# Altium PCB JTAG-批量下载V06.PcbDoc (part 1 of 13)
Units mil, origin at the board's own origin, x right, y up, seen from the top; angles counter-clockwise.
Board outline 6380 x 5290 mil, 2 copper layers (Top Layer, Bottom Layer); 190 components, 238 nets, 1050 pads, 459 vias.
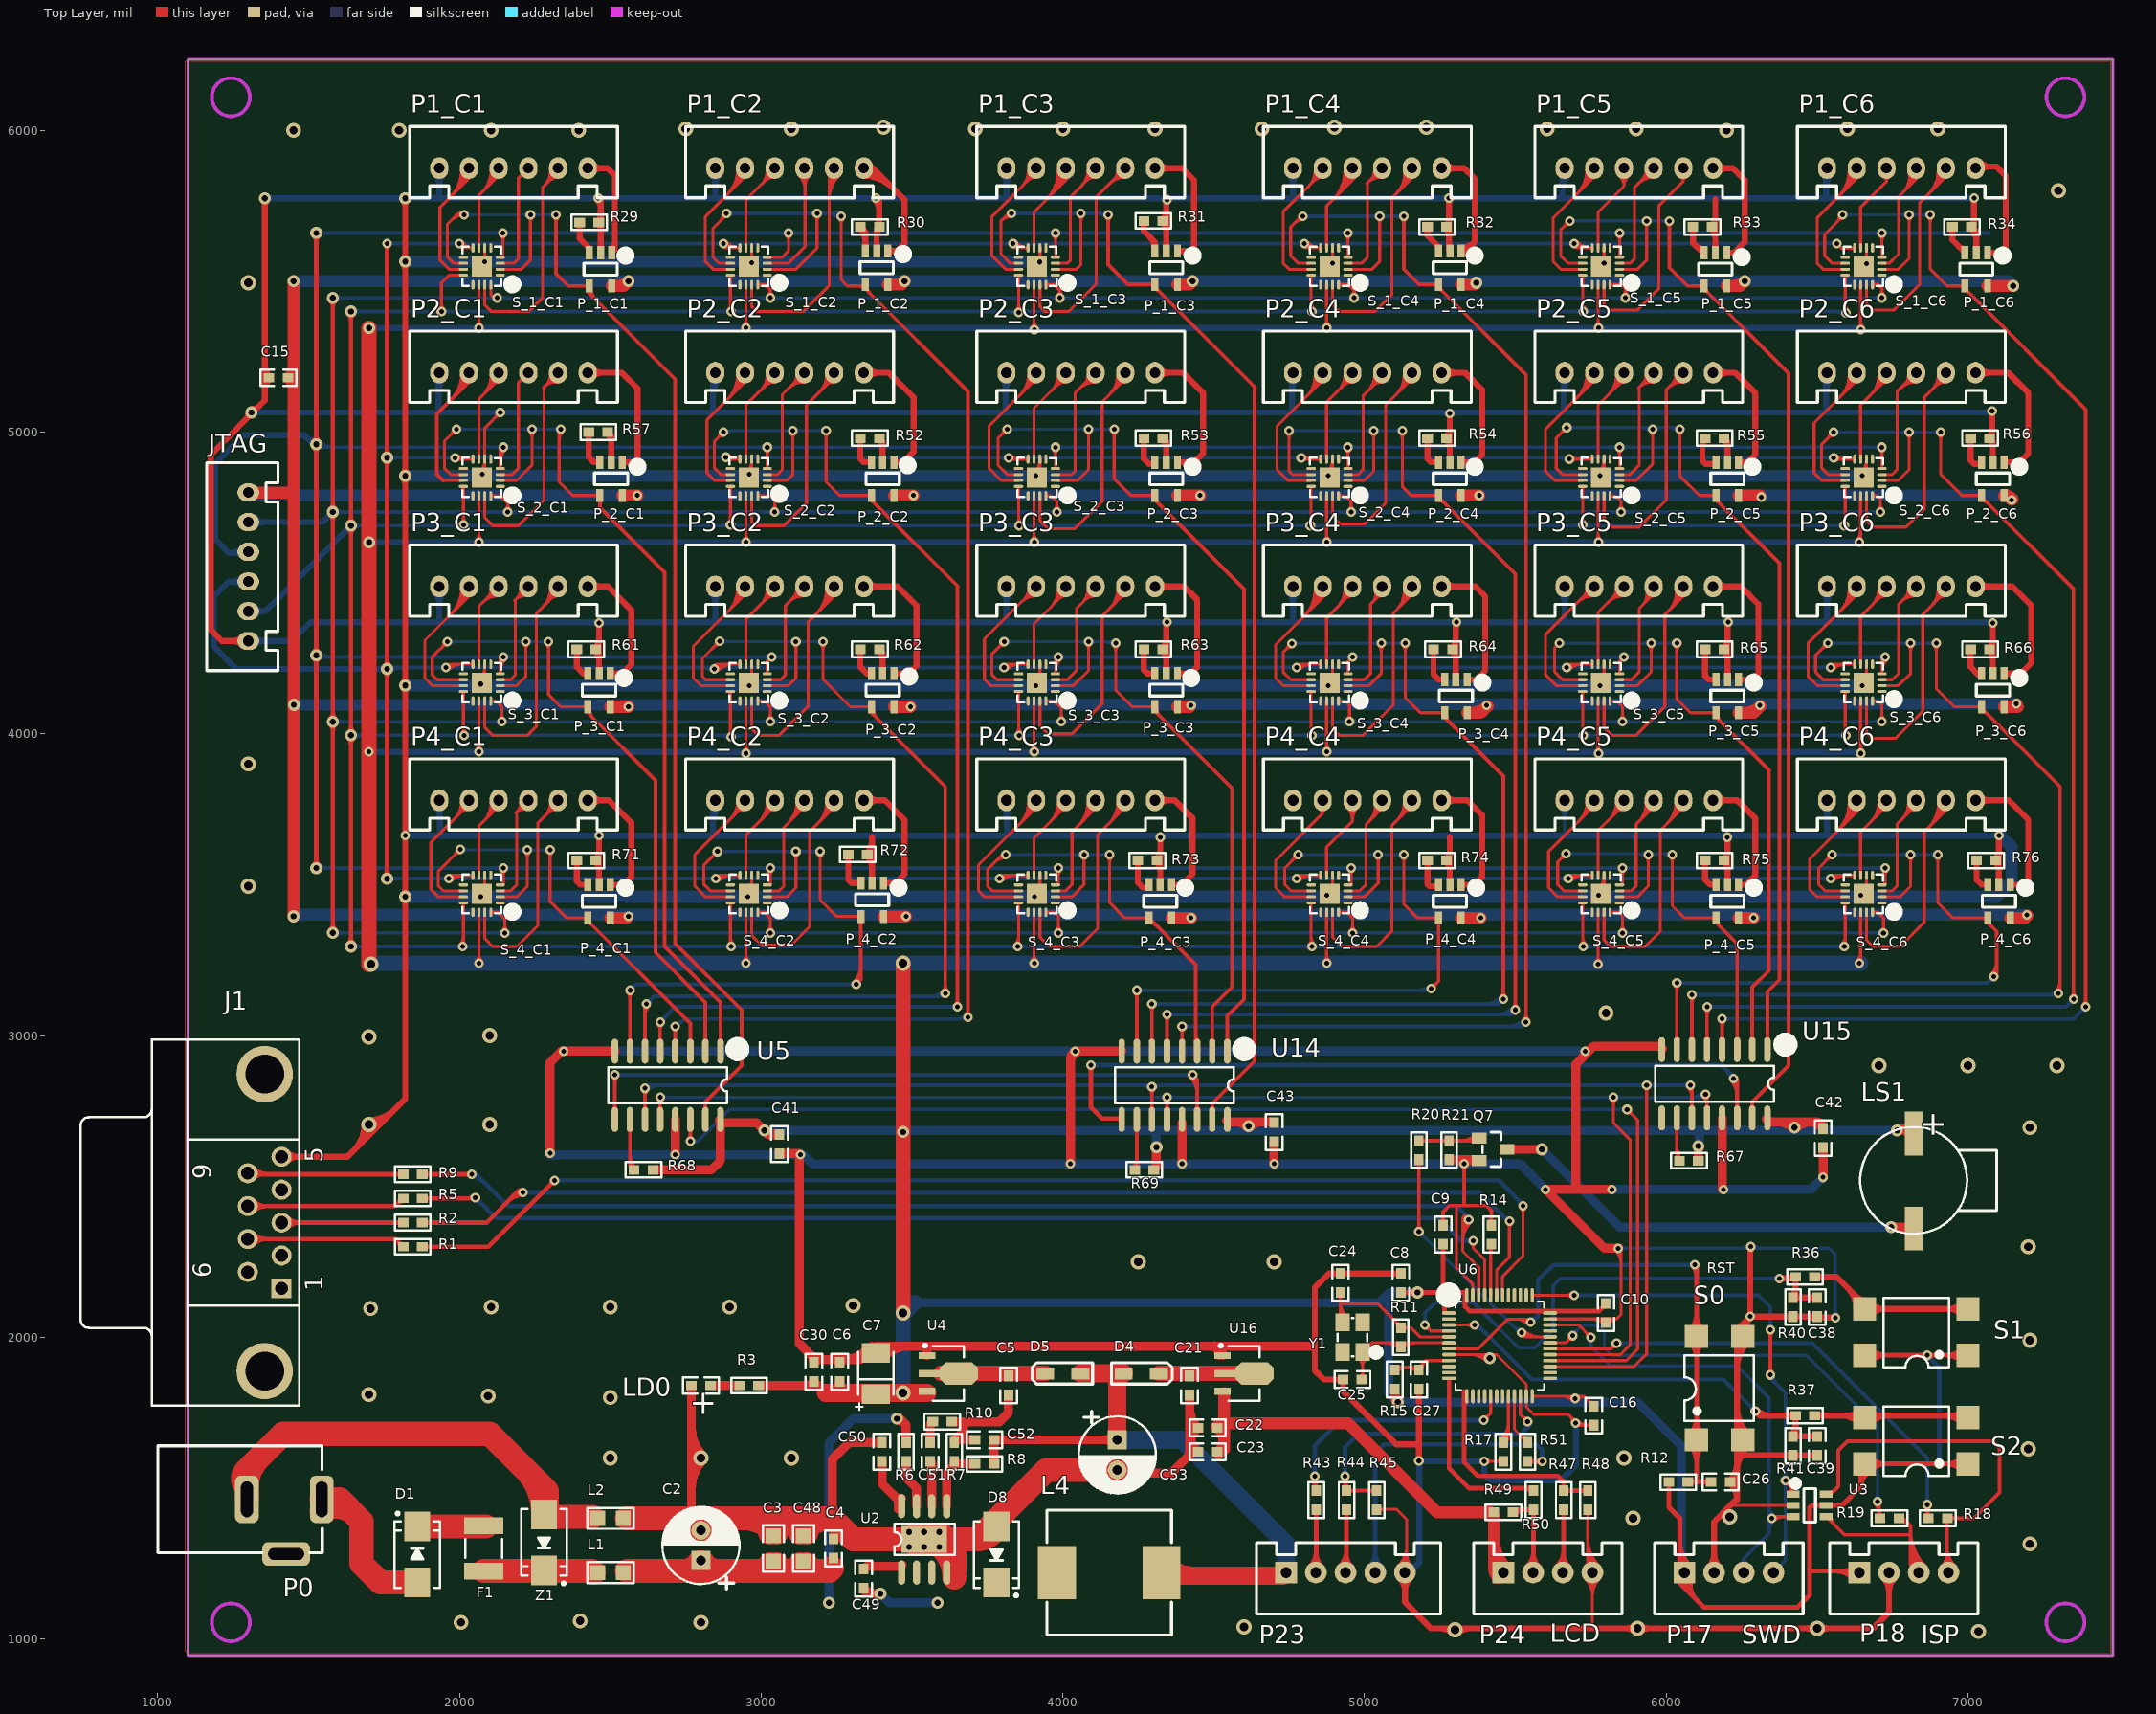
[diagram p0: Top Layer view]
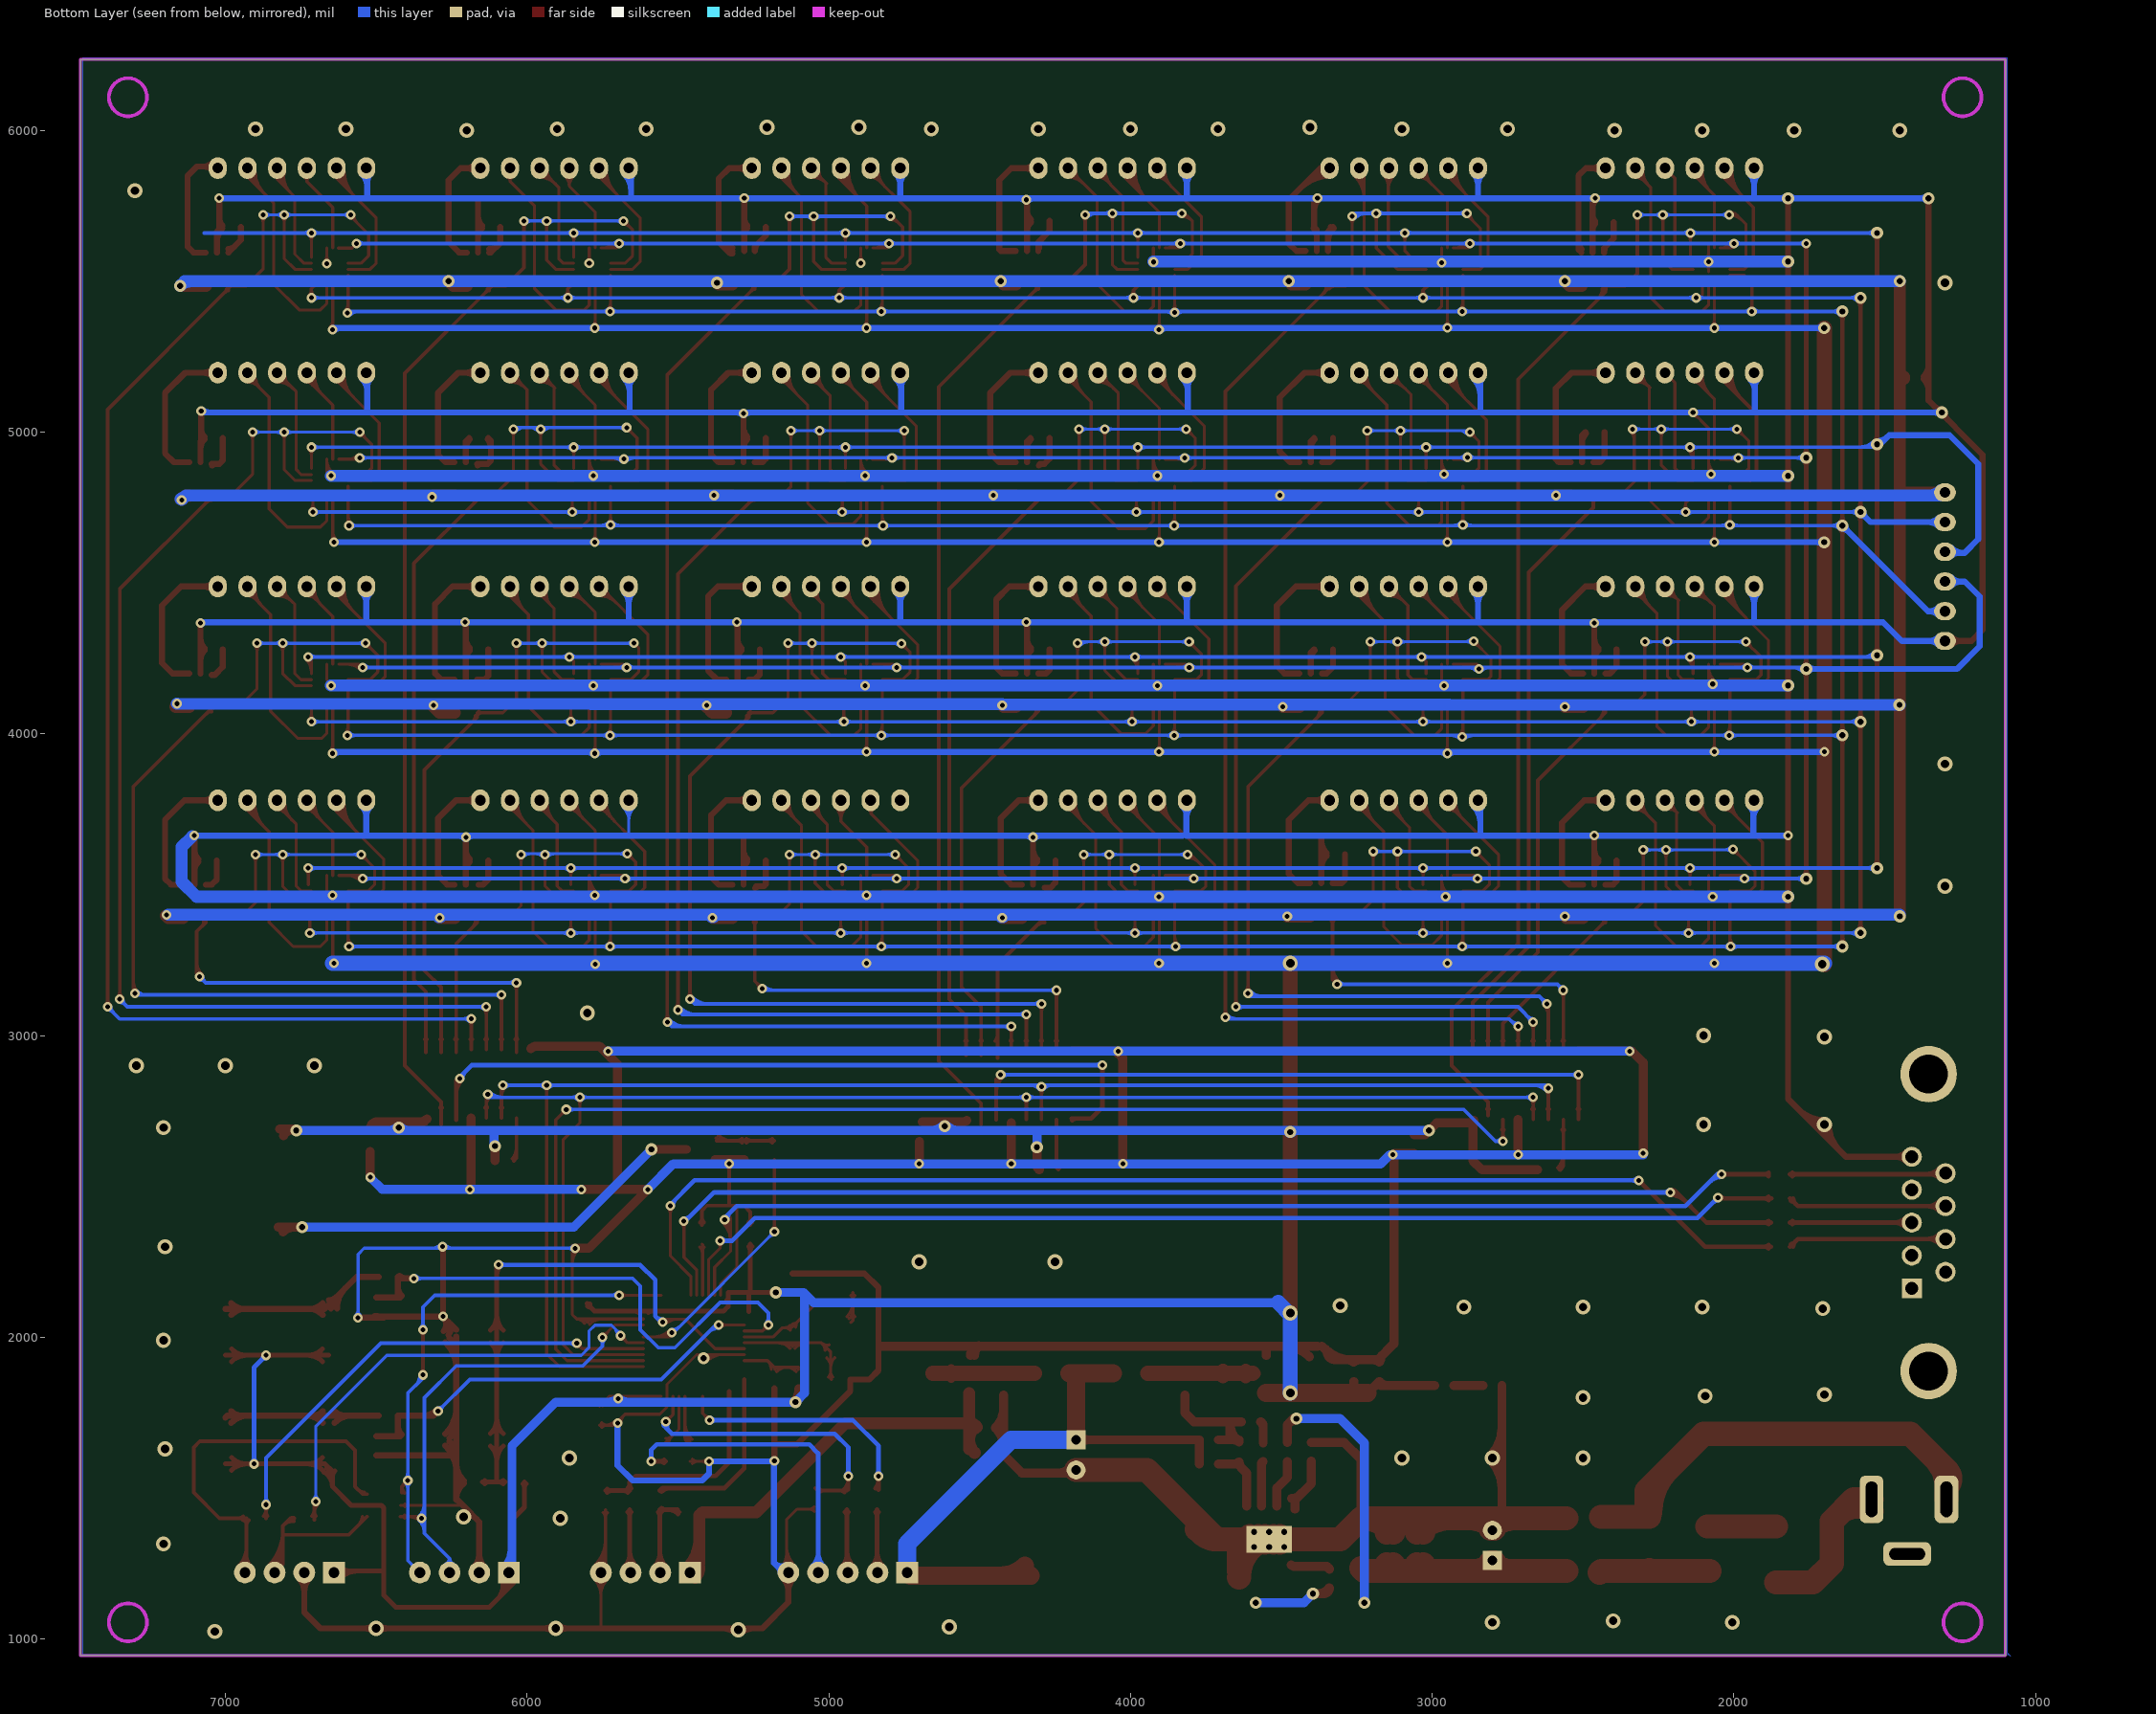
[diagram p1: Bottom Layer view, seen from below]

## Layer stack, top to bottom
Top Layer: signal copper 1.4
Dielectric: dielectric 12.6, FR-4, Dk 4.8
Bottom Layer: signal copper 1.4

## Board outline
1100,6235 1100,945 7480,945 7480,6235 1100,6235

## Design rules (kind name [scope] priority, off if disabled: settings)
Clearance [All] p0: scope1count=1 scope1_0_kind=Board scope1_0_value=Board scope2count=1 scope2_0_kind=Board scope2_0_value=Board commentlength=0 gap=7
Clearance Clearance_1 [All] p0: scope1count=1 scope1_0_kind=Net scope1_0_value=GND scope2count=1 scope2_0_kind=Layer scope2_0_value=TOP commentlength=0 gap=7
Clearance Clearance_1 [InNet('GND') vs OnLayer('Keep-Out Layer')] p1: gap=7
Clearance [All] p2: gap=7
ComponentClearance [All] p0: scope1count=1 scope1_0_kind=Board scope1_0_value=Board scope2count=1 scope2_0_kind=Board scope2_0_value=Board commentlength=0 gap=10 collisioncheckmode=3
ComponentClearance [All] p1: gap=10 collisioncheckmode=3 verticalgap=10
DiffPairsRouting [All] p0: scope1count=1 scope1_0_kind=Board scope1_0_value=Board scope2count=1 scope2_0_kind=Board scope2_0_value=Board commentlength=0
FanoutControl Fanout_BGA [All] p0 off: scope1count=1 scope1_0_kind=Board scope1_0_value=Board scope2count=1 scope2_0_kind=Board scope2_0_value=Board commentlength=69 // Protel DXP Scope 1 Expression Was: IsBGA   Fanout_BGA (Default Rule)
FanoutControl Fanout_LCC [All] p0 off: scope1count=1 scope1_0_kind=Board scope1_0_value=Board scope2count=1 scope2_0_kind=Board scope2_0_value=Board commentlength=69 // Protel DXP Scope 1 Expression Was: IsLCC   Fanout_LCC (Default Rule)
FanoutControl Fanout_SOIC [All] p0 off: scope1count=1 scope1_0_kind=Board scope1_0_value=Board scope2count=1 scope2_0_kind=Board scope2_0_value=Board commentlength=71 // Protel DXP Scope 1 Expression Was: IsSOIC   Fanout_SOIC (Default Rule)
FanoutControl Fanout_Small [All] p0 off: scope1count=1 scope1_0_kind=Board scope1_0_value=Board scope2count=1 scope2_0_kind=Board scope2_0_value=Board commentlength=84 // Protel DXP Scope 1 Expression Was: (CompPinCount < 5)   Fanout_Small (Default Rule)
FanoutControl Fanout_Default [All] p0: scope1count=1 scope1_0_kind=Board scope1_0_value=Board scope2count=1 scope2_0_kind=Board scope2_0_value=Board commentlength=30 // Fanout_Default (Default Rule)
Height [All] p0: scope1count=1 scope1_0_kind=Board scope1_0_value=Board scope2count=1 scope2_0_kind=Board scope2_0_value=Board commentlength=0
HoleSize [All] p0: scope1count=1 scope1_0_kind=Board scope1_0_value=Board scope2count=1 scope2_0_kind=Board scope2_0_value=Board commentlength=0 absolutevalues=TRUE maxlimit=100 minlimit=1 maxpercent=80.000 minpercent=20.000
LayerPairs [All] p0: scope1count=1 scope1_0_kind=Board scope1_0_value=Board scope2count=1 scope2_0_kind=Board scope2_0_value=Board commentlength=0 enforce=TRUE
PasteMaskExpansion [All] p0: scope1count=1 scope1_0_kind=Board scope1_0_value=Board scope2count=1 scope2_0_kind=Board scope2_0_value=Board commentlength=0 expansion=0
PlaneClearance [All] p0: scope1count=1 scope1_0_kind=Board scope1_0_value=Board scope2count=1 scope2_0_kind=Board scope2_0_value=Board commentlength=0 clearance=20
PlaneConnect [All] p0: scope1count=1 scope1_0_kind=Board scope1_0_value=Board scope2count=1 scope2_0_kind=Board scope2_0_value=Board commentlength=0 planeconnectstyle=Relief reliefexpansion=20 reliefentries=4 reliefconductorwidth=10 reliefairgap=10
PolygonConnect [All] p0: scope1count=1 scope1_0_kind=Board scope1_0_value=Board scope2count=1 scope2_0_kind=Board scope2_0_value=Board commentlength=0 connectstyle=Relief reliefconductorwidth=10 reliefentries=4 polygonreliefangle="90 Angle"
PolygonConnect [All] p1: connectstyle=Relief reliefconductorwidth=10 reliefentries=4 polygonreliefangle="90 Angle"
RoutingCorners [All] p0: scope1count=1 scope1_0_kind=Board scope1_0_value=Board scope2count=1 scope2_0_kind=Board scope2_0_value=Board commentlength=0 cornerstyle=45-Degree minsetback=100 maxsetback=100
RoutingLayers [All] p0: scope1count=1 scope1_0_kind=Board scope1_0_value=Board scope2count=1 scope2_0_kind=Board scope2_0_value=Board commentlength=0 top layer=Automatic bottom layer=Automatic
RoutingPriority [All] p0: scope1count=1 scope1_0_kind=Board scope1_0_value=Board scope2count=1 scope2_0_kind=Board scope2_0_value=Board commentlength=0
RoutingTopology [All] p0: scope1count=1 scope1_0_kind=Board scope1_0_value=Board scope2count=1 scope2_0_kind=Board scope2_0_value=Board commentlength=0 topology=Shortest
RoutingVias [All] p0: scope1count=1 scope1_0_kind=Board scope1_0_value=Board scope2count=1 scope2_0_kind=Board scope2_0_value=Board commentlength=0 holewidth=28 width=50 viastyle="Through Hole" minholewidth=15 minwidth=30 maxholewidth=28 maxwidth=50
RoutingVias [All] p1: holewidth=28 width=50 viastyle="Through Hole" minholewidth=15 minwidth=30 maxholewidth=28 maxwidth=50
ShortCircuit [All] p0: scope1count=1 scope1_0_kind=Board scope1_0_value=Board scope2count=1 scope2_0_kind=Board scope2_0_value=Board commentlength=0 allowed=FALSE
SolderMaskExpansion [All] p0: scope1count=1 scope1_0_kind=Board scope1_0_value=Board scope2count=1 scope2_0_kind=Board scope2_0_value=Board commentlength=0 expansion=4
SolderMaskExpansion [All] p1: expansion=4
TestPointUsage [All] p0: scope1count=1 scope1_0_kind=Board scope1_0_value=Board scope2count=1 scope2_0_kind=Board scope2_0_value=Board commentlength=0 valid=0 allowmultiple=FALSE
TestPointUsage [All] p1: valid=0 allowmultiple=FALSE
Testpoint [All] p0: scope1count=1 scope1_0_kind=Board scope1_0_value=Board scope2count=1 scope2_0_kind=Board scope2_0_value=Board commentlength=0 side=15 testpointundercomponent=TRUE minsize=40 maxsize=100 preferedsize=60 minholesize=0 maxholesize=40 preferedholesize=32 testpointgrid=1 style=1023 order=0123456789
Testpoint [All] p1: side=15 testpointundercomponent=TRUE minsize=40 maxsize=100 preferedsize=60 minholesize=0 maxholesize=40 preferedholesize=32 testpointgrid=1 style=1023 order=0123456789
UnRoutedNet [All] p0: scope1count=1 scope1_0_kind=Board scope1_0_value=Board scope2count=1 scope2_0_kind=Board scope2_0_value=Board commentlength=0
Width [All] p0: scope1count=1 scope1_0_kind=Board scope1_0_value=Board scope2count=1 scope2_0_kind=Board scope2_0_value=Board commentlength=0 maxlimit=80 minlimit=10 preferedwidth=20
Width [All] p1: maxlimit=80 minlimit=10 preferedwidth=20
18 further rules are at their usual default settings.

## Components (designator, comment, footprint, x,y, rotation, side; value= is the part's Value field where it differs from the comment)
C2 "100uF/50V" RB-6*9 2800,1260 r180 top
C3 "10uF/25V" C0805 3040,1300 r90 top
C4 "100nF" C0603 3240,1300 r90 top
C5 "10uF/10V" C0603 3820,1840 r270 top
C6 "10uF" C0603 3260,1885 r90 top
C7 "100uF/10V" C3528 3380,1880 r90 top
C8 "100nF" C0603 5120,2180 r90 top
C9 "100nF" C0603 5260,2340 r90 top
C10 "100nF" C0603 5800,2080 r270 top
C15 "10uF/10V" C0603 1400,5180 r180 top
C16 "10uF" C0603 5760,1740 r270 top
C21 "10uF" C0603 4420,1840 r270 top
C22 "10uF" C0603 4480,1700 r180 top
C23 "100nF" C0603 4480,1620 r0 top
C24 "20pF" C0603 4920,2180 r90 top
C25 "20pF" C0603 4960,1860 r180 top
C26 "100nF" C0603 6180,1520 r0 top
C27 "100nF" C0603 5180,1860 r270 top
C30 "10uF" C0603 3175,1885 r90 top
C38 "100nF" C0603 6500,2100 r90 top
C39 "100nF" C0603 6500,1640 r90 top
C41 "100nF" C0603 3060,2640 r270 top
C42 "100nF" C0603 6520,2660 r270 top
C43 "100nF" C0603 4700,2680 r270 top
C48 "10uF/25V" C0805 3140,1300 r90 top
C49 "10nF" C0603 3340,1200 r90 top
C50 "100nF" C0603 3400,1620 r90 top
C51 "3.3nF" C0603 3560,1620 r90 top
C52 "10uF" C0603 3740,1660 r180 top
C53 "220uF/25V" RB-6*9 4180,1660 r0 top
D1 "SS34" SMB#1 1860,1280 r90 top
D4 "SS14" SOD-123F 4260,1880 r0 top
D5 "SS14" SOD-123F 4000,1880 r180 top
D8 "SS34" SMB#1 3780,1280 r270 top
F1 "SMD1812P075TF" 1812 2080,1300 r270 top
J1 "D Connector 9" DSUB1.385-2H9 980,2380 r90 top
JTAG "DIP1X6-2.54mm" XH2.5-6P 1300,4800 r270 top
L1 "HCB2012KF-301T30" R0805 2500,1220 r180 top
L2 "HCB2012KF-301T30" R0805 2500,1400 r180 top
L4 "33uH" L1040 3980,1220 r0 top
LD0 "GREEN" LED-0603 2800,1840 r180 top
LS1 "Buzzer" BUZZER-small 6820,2520 r270 top
P0 "DC-005 5.5-2.0MM" DC-005A 1000,1640 r270 top
P1_C1 "A2501WV-6P" XH2.5-6P 2425,5875 r180 top
P1_C2 "A2501WV-6P" XH2.5-6P 3340,5875 r180 top
P1_C3 "A2501WV-6P" XH2.5-6P 4305,5875 r180 top
P1_C4 "A2501WV-6P" XH2.5-6P 5255,5875 r180 top
P1_C5 "A2501WV-6P" XH2.5-6P 6155,5875 r180 top
P1_C6 "A2501WV-6P" XH2.5-6P 7025,5875 r180 top
P2_C1 "A2501WV-6P" XH2.5-6P 2425,5196.85 r180 top
P2_C2 "A2501WV-6P" XH2.5-6P 3340,5196.85 r180 top
P2_C3 "A2501WV-6P" XH2.5-6P 4305,5196.85 r180 top
P2_C4 "A2501WV-6P" XH2.5-6P 5255,5196.85 r180 top
P2_C5 "A2501WV-6P" XH2.5-6P 6155,5196.85 r180 top
P2_C6 "A2501WV-6P" XH2.5-6P 7025,5196.85 r180 top
P3_C1 "A2501WV-6P" XH2.5-6P 2425,4488.19 r180 top
P3_C2 "A2501WV-6P" XH2.5-6P 3340,4488.19 r180 top
P3_C3 "A2501WV-6P" XH2.5-6P 4305,4488.19 r180 top
P3_C4 "A2501WV-6P" XH2.5-6P 5255,4488.19 r180 top
P3_C5 "A2501WV-6P" XH2.5-6P 6155,4488.19 r180 top
P3_C6 "A2501WV-6P" XH2.5-6P 7025,4488.19 r180 top
P4_C1 "A2501WV-6P" XH2.5-6P 2425,3779.53 r180 top
P4_C2 "A2501WV-6P" XH2.5-6P 3340,3779.53 r180 top
P4_C3 "A2501WV-6P" XH2.5-6P 4305,3779.53 r180 top
P4_C4 "A2501WV-6P" XH2.5-6P 5255,3779.53 r180 top
P4_C5 "A2501WV-6P" XH2.5-6P 6155,3779.53 r180 top
P4_C6 "A2501WV-6P" XH2.5-6P 7025,3779.53 r180 top
P17 "A2501WV-4P" XH2.5-4P 6060,1220 r0 top
P18 "A2501WV-4P" XH2.5-4P 6640,1220 r0 top
P23 "A2501WV-5P" XH2.5-5P 4740,1220 r0 top
P24 "A2501WV-4P" XH2.5-4P 5460,1220 r0 top
P_1_C1 "LPW5209" SOT-23-5 2505,5595 r270 top
P_1_C2 "LPW5209" SOT-23-5 3420,5600 r270 top
P_1_C3 "LPW5209" SOT-23-5 4380,5600 r270 top
P_1_C4 "LPW5209" SOT-23-5 5320,5600 r270 top
P_1_C5 "LPW5209" SOT-23-5 6200,5595 r270 top
P_1_C6 "LPW5209" SOT-23-5 7065,5595 r270 top
P_2_C1 "LPW5209" SOT-23-5 2540,4900 r270 top
P_2_C2 "LPW5209" SOT-23-5 3440,4900 r270 top
P_2_C3 "LPW5209" SOT-23-5 4380,4900 r270 top
P_2_C4 "LPW5209" SOT-23-5 5320,4900 r270 top
P_2_C5 "LPW5209" SOT-23-5 6240,4900 r270 top
P_2_C6 "LPW5209" SOT-23-5 7120,4900 r270 top
P_3_C1 "LPW5209" SOT-23-5 2500,4200 r270 top
P_3_C2 "LPW5209" SOT-23-5 3440,4200 r270 top
P_3_C3 "LPW5209" SOT-23-5 4380,4200 r270 top
P_3_C4 "LPW5209" SOT-23-5 5340,4180 r270 top
P_3_C5 "LPW5209" SOT-23-5 6240,4180 r270 top
P_3_C6 "LPW5209" SOT-23-5 7120,4200 r270 top
P_4_C1 "LPW5209" SOT-23-5 2500,3500 r270 top
P_4_C2 "LPW5209" SOT-23-5 3405,3505 r270 top
P_4_C3 "LPW5209" SOT-23-5 4360,3500 r270 top
P_4_C4 "LPW5209" SOT-23-5 5320,3500 r270 top
P_4_C5 "LPW5209" SOT-23-5 6240,3500 r270 top
P_4_C6 "LPW5209" SOT-23-5 7140,3500 r270 top
Q7 "MMBT9013H" SOT-23 5380,2660 r180 top
R1 "100R" R0603 1845,2300 r0 top
R2 "100R" R0603 1845,2380 r0 top
R3 "10k" R0603 2960,1840 r180 top
R5 "100R" R0603 1845,2460 r0 top
R6 "100k" R0603 3480,1620 r90 top
R7 "10k" R0603 3640,1620 r270 top
R8 "91k" R0603 3740,1580 r0 top
R9 "100R" R0603 1845,2540 r0 top
R10 "10k" R0603 3600,1720 r180 top
R11 "1M" R0603 5120,2000 r270 top
R12 "10k" R0603 6040,1520 r180 top
R14 "10k" R0603 5420,2340 r270 top
R15 "0" R0603 5100,1860 r270 top
R17 "10k" R0603 5460,1620 r90 top
R18 "100" R0603 6900,1400 r180 top
R19 "100" R0603 6740,1400 r180 top
R20 "2k" R0603 5180,2620 r90 top
R21 "2k" R0603 5280,2620 r90 top
R29 "20K" R0603 2430,5695 r0 top
R30 "20K" R0603 3360,5680 r0 top
R31 "20K" R0603 4300,5700 r0 top
R32 "20K" R0603 5240,5680 r0 top
R33 "20K" R0603 6120,5680 r0 top
R34 "20K" R0603 6980,5680 r0 top
R36 "1k" R0603 6460,2200 r0 top
R37 "1k" R0603 6460,1740 r0 top
R40 "10k" R0603 6420,2100 r270 top
R41 "10k" R0603 6420,1640 r270 top
R43 "1k" R0603 4840,1460 r90 top
R44 "100" R0603 4940,1460 r90 top
R45 "10k" R0603 5040,1460 r90 top
R47 "3.3k" R0603 5660,1460 r90 top
R48 "10k" R0603 5740,1460 r90 top
R49 "10k" R0603 5460,1420 r180 top
R50 "100" R0603 5560,1460 r90 top
R51 "100" R0603 5540,1620 r90 top
R52 "20K" R0603 3360,4980 r0 top
R53 "20K" R0603 4300,4980 r0 top
R54 "20K" R0603 5240,4980 r0 top
R55 "20K" R0603 6160,4980 r0 top
R56 "20K" R0603 7040,4980 r0 top
R57 "20K" R0603 2460,5000 r0 top
R61 "20K" R0603 2420,4280 r0 top
R62 "20K" R0603 3360,4280 r0 top
R63 "20K" R0603 4300,4280 r0 top
R64 "20K" R0603 5260,4280 r0 top
R65 "20K" R0603 6160,4280 r0 top
R66 "20K" R0603 7040,4280 r0 top
R67 "2k" R0603 6075,2585 r180 top
R68 "2k" R0603 2610,2555 r180 top
R69 "2k" R0603 4270,2555 r180 top
R71 "20K" R0603 2420,3580 r0 top
R72 "20K" R0603 3320,3600 r0 top
R73 "20K" R0603 4280,3580 r0 top
R74 "20K" R0603 5240,3580 r0 top
R75 "20K" R0603 6160,3580 r0 top
R76 "20K" R0603 7060,3580 r0 top
S0 "K2-6639SP-C4SC-04" MY_KEYSOP4 6100,1660 r90 top
S1 "K2-6639SP-C4SC-04" MY_KEYSOP4 7000,1940 r180 top
S2 "K2-6639SP-C4SC-04" MY_KEYSOP4 7000,1580 r180 top
S_1_C1 "RS2299" QFN16 2135,5520 r180 top locked
S_1_C2 "RS2299" QFN16 3020,5520 r180 top
S_1_C3 "RS2299" QFN16 3975,5520 r180 top
S_1_C4 "RS2299" QFN16 4945,5520 r180 top
S_1_C5 "RS2299" QFN16 5845,5520 r180 top
S_1_C6 "RS2299" QFN16 6715,5520 r180 top
S_2_C1 "RS2299" QFN16 2135,4820 r180 top
S_2_C2 "RS2299" QFN16 3020,4820 r180 top
S_2_C3 "RS2299" QFN16 3975,4820 r180 top
S_2_C4 "RS2299" QFN16 4945,4820 r180 top
S_2_C5 "RS2299" QFN16 5845,4820 r180 top
S_2_C6 "RS2299" QFN16 6715,4820 r180 top
S_3_C1 "RS2299" QFN16 2135,4140 r180 top
S_3_C2 "RS2299" QFN16 3020,4140 r180 top
S_3_C3 "RS2299" QFN16 3975,4140 r180 top
S_3_C4 "RS2299" QFN16 4945,4140 r180 top
S_3_C5 "RS2299" QFN16 5845,4140 r180 top
S_3_C6 "RS2299" QFN16 6715,4140 r180 top
S_4_C1 "RS2299" QFN16 2135,3440 r180 top
S_4_C2 "RS2299" QFN16 3020,3440 r180 top
S_4_C3 "RS2299" QFN16 3975,3440 r180 top
S_4_C4 "RS2299" QFN16 4945,3440 r180 top
S_4_C5 "RS2299" QFN16 5845,3440 r180 top
S_4_C6 "RS2299" QFN16 6715,3440 r180 top
U2 "MP2303ADN-LF-Z" SO-8-EP 3540,1330 r90 top
U3 "ESDU5V0H4" SOT-23-6 6420,1480 r0 top
U4 "ME6208A33PG" SOT89N 3620,1880 r0 top
U5 "MC74HC595ADR2G" SOP16_M 2690,2835 r270 top
U6 "STM32F103C8T6" LQFP-48-1 5280,2080 r0 top
U14 "MC74HC595ADR2G" SOP16_M 4370,2835 r270 top
U15 "MC74HC595ADR2G" SOP16_M 6160,2840 r270 top
U16 "ME6210A50PG" SOT89N 4600,1880 r0 top
Y1 "8M" CRYSTAL_3.2*2.5 4960,2000 r90 top
Z1 "SMBJ12A" SMB#2 2280,1320 r270 top

## Footprints (in the part's own frame and the unit in brackets; to place one, negate y for a bottom-side part, rotate by r counter-clockwise, add the part's x,y. Pads: shape width x height; smd on the part's side, far side on the other; paste and mask are expansions set on the pad)
1812 [mm] "Chip Capacitor, Body 4.5x3.2mm, IPC High Density"
  rect 1.4x3.3 smd: 1(-1.9,0) 2(1.9,0)
  silkscreen extent -0.8,-1.55 0.8,1.55
BUZZER-small [mil]
  rect 145.04x60 smd: 1(-155,0) 2(160,0)
  silkscreen extent -177,-177 177,275
C0603 [mm]
  rect 0.9x0.8 smd: 1(-0.8,0) 2(0.8,0)
  silkscreen extent -1.5,-0.7 1.5,0.7
C0805 [mil]
  rect 50x50 smd: 1(-42.28,0) 2(42.28,0)
  silkscreen extent -77,-35 77,35
C3528 [mm] "Capacitor, SM Tantalum; Body 7.3 x 4.3 mm (LxW typ)"
  rect 1.65x2.4 smd: 1(-1.725,0) 2(1.725,0)
  silkscreen extent -3.1,-1.5 1.8,1.7
CRYSTAL_3.2*2.5 [mm]
  rect 1.5x1.2 smd: 1(-1.25,-0.85) 2(1.25,-0.85) 3(1.25,0.85) 4(-1.25,0.85)
  silkscreen extent -1.6,-1.97 1.6,1.25
DC-005A [mm]
  rrect50% 4x2 hole 1 slot 3 at 0 deg: 1(4.5,13.8) 2(4.5,7.5)
  rrect50% 2x4 hole 1 slot 3 at 90 deg: 3(9.1,10.8)
  silkscreen extent 0,0 9,13.84
DSUB1.385-2H9 [mm] "Connector; D Subminiature; 9 Position; Right Angle; Pitch 1.385 mm"
  rect 1.69x1.69 hole 1.09: 1(-5.54,-10.92)
  round 1.69 hole 1.09: 2(-2.77,-10.92) 3(0,-10.92) 4(2.77,-10.92) 5(5.54,-10.92) 6(-4.155,-8.08) 7(-1.385,-8.08) 8(1.385,-8.08) 9(4.155,-8.08)
  round 4.76 hole 3.26: 10(-12.495,-9.5) 11(12.495,-9.5)
  silkscreen extent -15.4,-12.4 15.4,6
L1040 [mm]
  rect 3.2x4.5 smd: 1(0,0) 2(8.8,0)
  silkscreen extent -0.85,-5.25 9.65,5.25
LED-0603 [mm]
  rect 0.9x0.762 smd: 1(-0.8,0) 2(0.8,0)
  silkscreen extent -1.5,-0.7 1.5,0.7
LQFP-48-1 [mm]
  oval 1.2x0.3 smd: 1(0,0) 2(0,-0.5) 3(0,-1) 4(0,-1.5) 5(0,-2) 6(0,-2.5) 7(0,-3) 8(0,-3.5) 9(0,-4) 10(0,-4.5) 11(0,-5) 12(0,-5.5) 25(8.5,-5.5) 26(8.5,-5) 27(8.5,-4.5) 28(8.5,-4) 29(8.5,-3.5) 30(8.5,-3) 31(8.5,-2.5) 32(8.5,-2) 33(8.5,-1.5) 34(8.5,-1) 35(8.5,-0.5) 36(8.5,0)
  oval 0.3x1.2 smd: 13(1.5,-7) 14(2,-7) 15(2.5,-7) 16(3,-7) 17(3.5,-7) 18(4,-7) 19(4.5,-7) 20(5,-7) 21(5.5,-7) 22(6,-7) 23(6.5,-7) 24(7,-7) 37(7,1.5) 38(6.5,1.5) 39(6,1.5) 40(5.5,1.5) 41(5,1.5) 42(4.5,1.5) 43(4,1.5) 44(3.5,1.5) 45(3,1.5) 46(2.5,1.5) 47(2,1.5) 48(1.5,1.5)
  silkscreen extent -0.2,-6.47 7.97,1.65
MY_KEYSOP4 [mm] "K2-6639SP-C4SC-04"
  rect 1.9x2 smd: 1(0,0) 2(8.7,0) 3(8.7,-3.9) 4(0,-3.9)
  silkscreen extent 1.58,-4.83 7.12,1.02
QFN16 [mm]
  oval 0.8x0.25 smd: 1(0,0) 2(0,-0.5) 3(0,-1) 4(0,-1.5) 9(3.1,-1.5) 10(3.1,-1) 11(3.1,-0.5) 12(3.1,0)
  oval 0.25x0.8 smd: 5(0.8,-2.3) 6(1.3,-2.3) 7(1.8,-2.3) 8(2.3,-2.3) 13(2.3,0.8) 14(1.8,0.8) 15(1.3,0.8) 16(0.8,0.8)
  rect 1.7x1.7 smd: 17(1.55,-0.75)
  silkscreen extent -0.7,-2.4 3.2,0.89
R0603 [mm]
  rect 0.9x0.8 smd: 1(-0.8,0) 2(0.8,0)
  silkscreen extent -1.5,-0.65 1.5,0.65
R0805 [mil]
  rect 50x50 smd: 1(-42.28,0) 2(42.28,0)
  silkscreen extent -77,-35 77,35
RB-6*9 [mm]
  rect 1.6x1.6 hole 0.8: 1(0,0)
  round 1.6 hole 0.8: 2(0,-2.54)
  silkscreen extent -3.25,-4.52 3.25,2.41
SMB#1 [mm] "4.7*3.9*2.2mm(长宽高，不包括引脚）"
  rect 2.5x2.2 smd: 1(-2.35,0) 2(2.35,0)
  silkscreen extent -2.8,-1.9 3.57,1.9
SMB#2 [mm] "4.7*3.9*2.2mm(长宽高，不包括引脚）"
  rect 2.5x2.2 smd: A(-2.35,0) K(2.35,0)
  silkscreen extent -2.8,-1.9 3.57,1.9
SO-8-EP [mil]
  oval 80x24 smd: 1(-110,75) 2(-110,25) 3(-110,-25) 4(-110,-75) 5(110,-75) 6(110,-25) 7(110,25) 8(110,75)
  round 40 hole 20: 9(-25,50) 9(-25,0) 9(-25,-50) 9(25,50) 9(25,0) 9(25,-50)
  rect 90x150 smd: 9(0,0)
  rect 90x150 smd far side: 9(0,0)
  silkscreen extent -51,-102 51,99
SOD-123F [mm]
  rect 1.5x1 smd: 1(-1.475,0) 2(1.475,0)
  silkscreen extent -2.5,-0.9 2.6,0.9
SOP16_M [mm] "10.3*6.2*1.8mm（长宽高）"
  oval 2.1x0.55 smd: 1(-2.875,4.445) 2(-2.875,3.175) 3(-2.875,1.905) 4(-2.875,0.635) 5(-2.875,-0.635) 6(-2.875,-1.905) 7(-2.875,-3.175) 8(-2.875,-4.445) 9(2.875,-4.445) 10(2.875,-3.175) 11(2.875,-1.905) 12(2.875,-0.635) 13(2.875,0.635) 14(2.875,1.905) 15(2.875,3.175) 16(2.875,4.445)
  silkscreen extent -3.2,-5 1.52,5.74
SOT89N [mm] "SOT89, 3-Leads, Body 4.5x2.4 mm, Pitch 1.5mm, Lead Span 4.1mm, IPC Medium Density"
  rect 1.4x0.6 smd: 1(-1.8,1.5) 3(-1.8,-1.5)
  rect 1.8x0.6 smd: 2(-1.6,0)
  oct 3.2x1.9 smd: 2(0.9,0)
  silkscreen extent -2.07,-2.3 1.3,2.47
SOT-23 [mm]
  rect 1.25x0.914 smd: 1(0,0) 2(0,1.9) 3(-2.348,0.95)
  silkscreen extent -1.82,-0.51 -0.27,2.41
SOT-23-5 [mm]
  rect 1.1x0.6 smd: 1(0,0) 2(0,-0.95) 3(0,-1.9) 4(2.8,-1.9) 5(2.8,0)
  silkscreen extent 0.1,-2.35 1.9,1.1
SOT-23-6 [mm]
  rect 1.1x0.6 smd: 1(0,0) 2(0,-0.95) 3(0,-1.9) 4(2.8,-1.9) 5(2.8,-0.95) 6(2.8,0)
  silkscreen extent -0.01,-2.35 1.9,1.2
XH2.5-4P [mil]
  rect 72x72 hole 35.43: 1(0,0)
  round 72 hole 35.43: 2(98.43,0) 3(196.85,0) 4(295.28,0)
  silkscreen extent -98,-138 394,98
XH2.5-5P [mil]
  rect 72x72 hole 35.43: 1(0,0)
  round 72 hole 35.43: 2(98.43,0) 3(196.85,0) 4(295.28,0) 5(393.7,0)
  silkscreen extent -98,-138 512,98
XH2.5-6P [mil]
  oval 60x72 hole 35.43: 1(0,0) 2(98.43,0) 3(196.85,0) 4(295.28,0) 5(393.7,0) 6(492.13,0)
  silkscreen extent -98,-138 591,98

## Part data
C2 C7 C53: library part "Cap Pol1", "Polarized Capacitor (Radial)"
C3 C4 C5 C6 C8 C9 C10 C15 C16 C21 C22 C23 C24 C25 C26 C27 C30 C41 C42 C43: library part Cap, "Capacitor"
C38 C39 C48 C49 C50 C51 C52: library part Capacitor, "电容器"
D1 D4 D5: library part "Diode 1N4001", "1 Amp General Purpose Rectifier"
D8: library part Diode, "通用二极管"
F1: library part "Fuse 2", "Fuse"
J1: "Receptacle Assembly, 9 Position, Right Angle"
L1 L2 L4: library part Inductor, "Inductor"
LD0: library part LED0, "LED灯"
LS1: "Magnetic Transducer Buzzer"
P0: library part "Header 2", "Header, 2-Pin"
P1_C1 P1_C2 P1_C3 P1_C4 P1_C5 P1_C6 P2_C1 P2_C2 P2_C3 P2_C4 P2_C5 P2_C6 P3_C1 P3_C2 P3_C3 P3_C4 P3_C5 P3_C6 P4_C1 P4_C2 P4_C3 P4_C4 P4_C5 P4_C6: library part "Header 6", "Header, 6-Pin"
P17 P18 P24: library part "Header 4", "Header, 4-Pin"
P23: library part "Header 5", "Header, 5-Pin"
Q7: library part MY_NPN, "8050/BCW846/BCW847"
R1 R2 R3 R5 R9 R11 R12 R14 R15 R17 R18 R19 R20 R21 R29 R30 R31 R32 R33 R34 R36 R37 R40 R41 R52 R53 R54 R55 R56 R57 R61 R62 R63 R64 R65 R66 R67 R68 R69 R71 R72 R73 R74 R75 R76: library part Res2, "Resistor"
R6 R7 R8 R10 R43 R44 R45 R47 R48 R49 R50 R51: library part Resistance, "电阻器"
S0 S1 S2: library part SW-PB-4pin, "Switch"
U2: library part TD1519A
U3: library part CESDLC5V0M5
U4 U16: library part ME6208A50PG
U5 U14 U15: library part 74HC595
U6: "STM32 ARM-based 32-bit MCU with 64 Kbytes Flash, 48-pin LQFP, Industrial Temperature"
Y1: library part CRYSTAL-PASSIVE_3225
Z1: library part "D Zener", "Zener Diode"

## Via types
v1: diameter 32, hole 16, Top Layer to Bottom Layer, 347 vias
v2: diameter 50, hole 28, Top Layer to Bottom Layer, 63 vias
v3: diameter 40, hole 20, Top Layer to Bottom Layer, 49 vias